# Altium PCB LimeNet-Micro_2v0.PcbDoc (part 8 of 11)
Units mm, origin at the board's own origin, x right, y up, seen from the top; angles counter-clockwise.
Board outline 75 x 143 mm, 6 copper layers (Top, L2, L3, L4, L5, Bottom), stack 1.583 mm thick; 781 components, 551 nets, 3551 pads, 1336 vias.
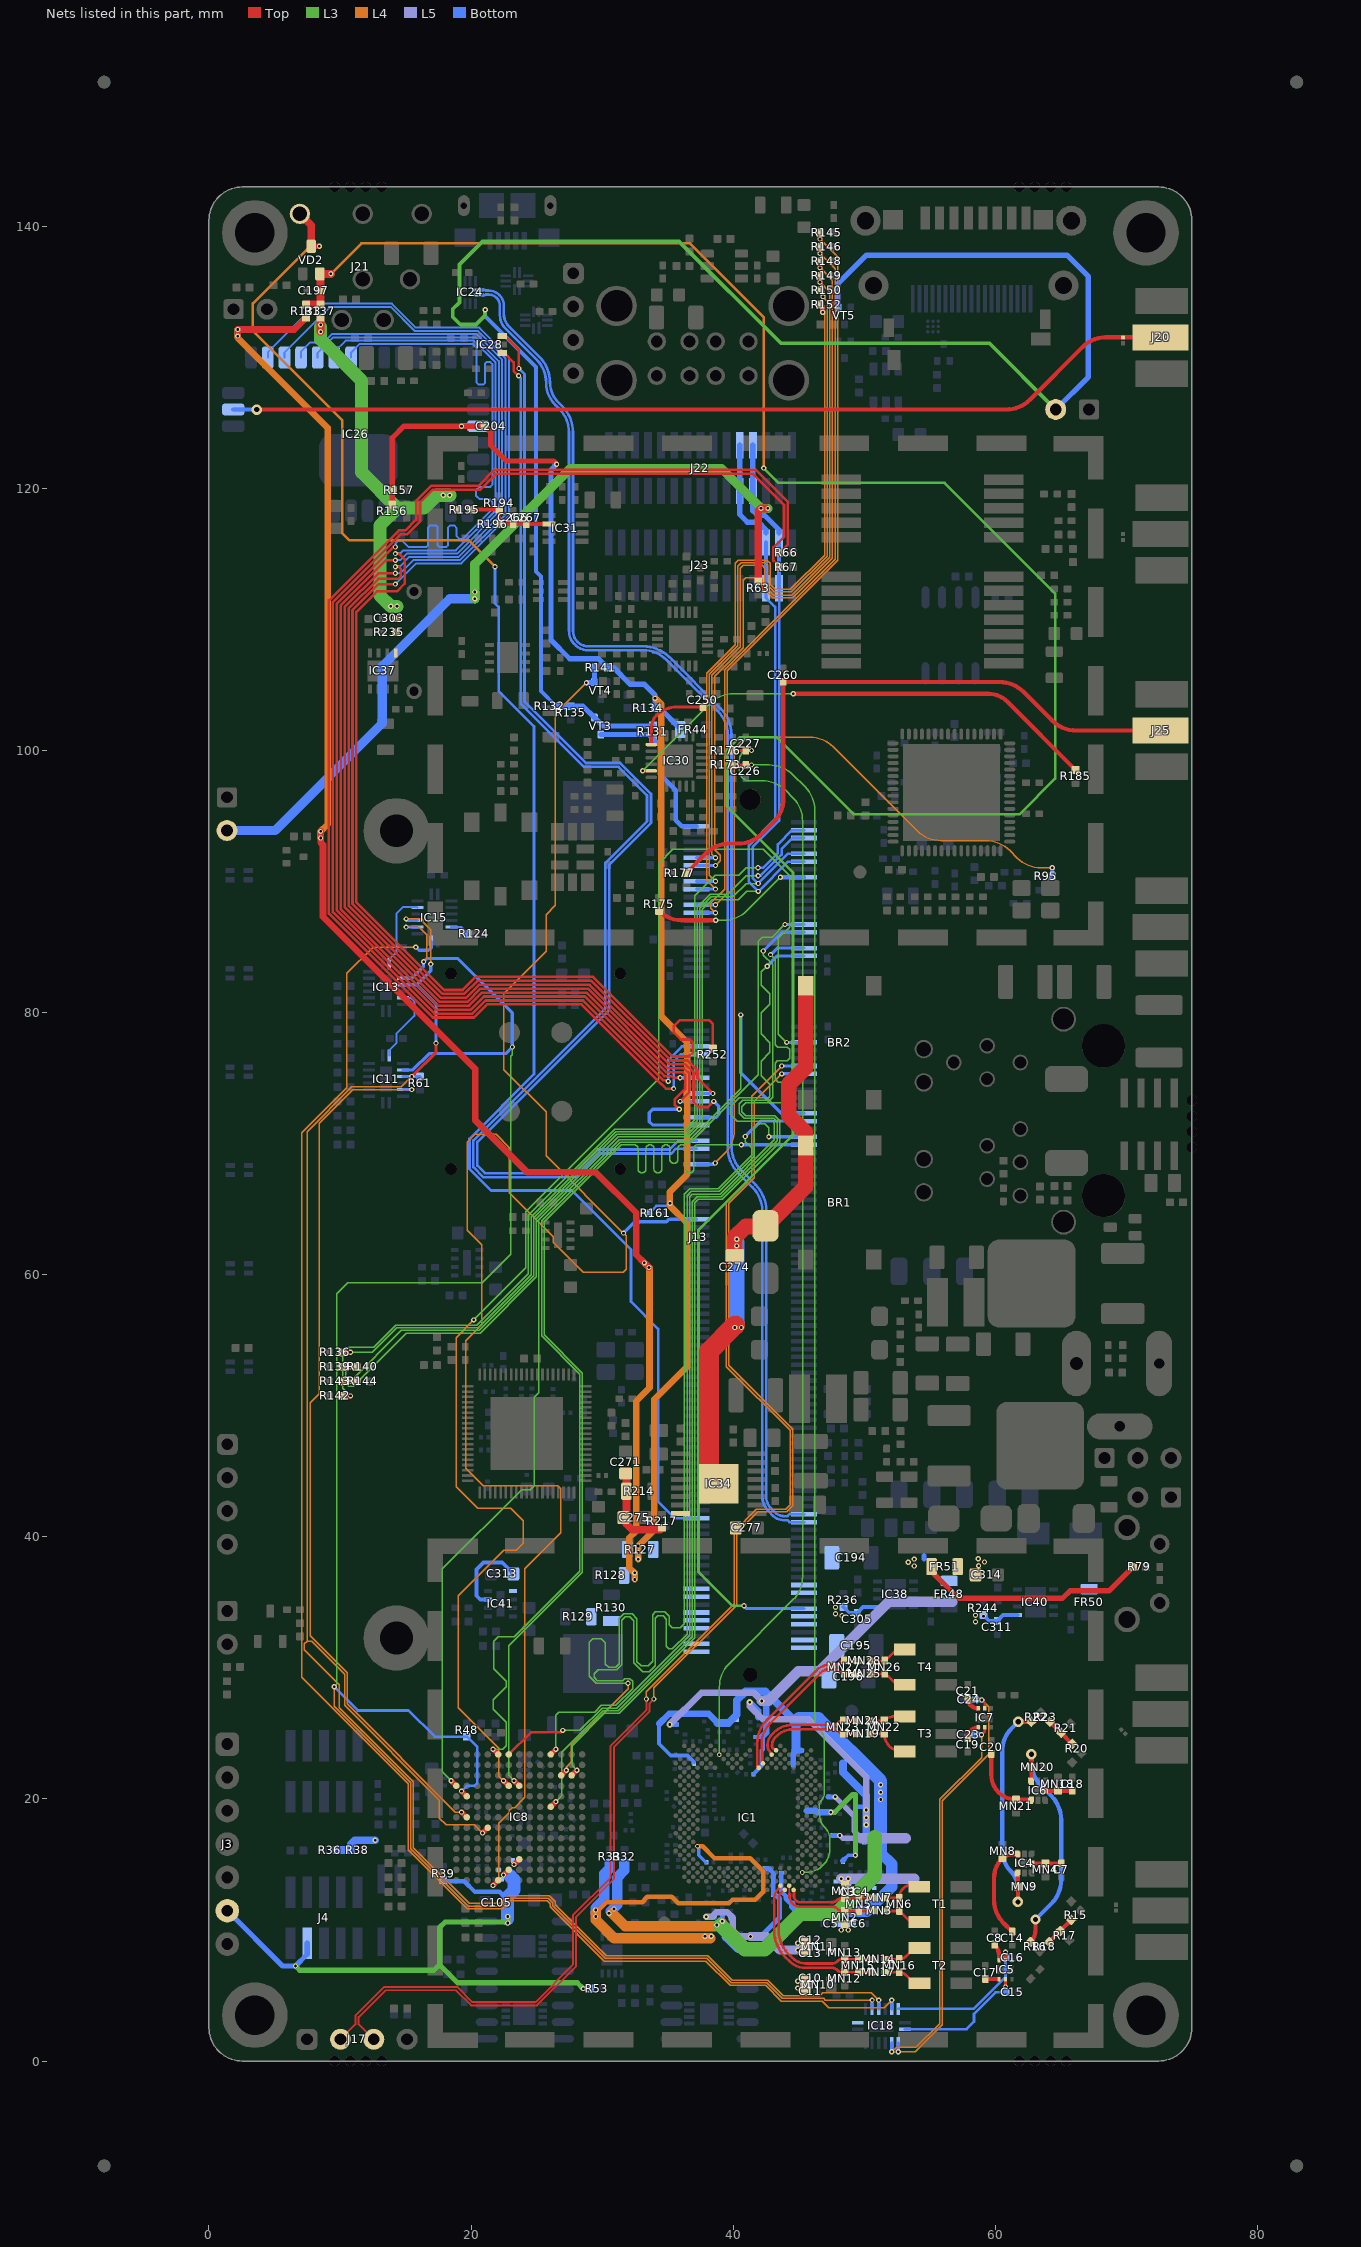
[diagram p12: the nets of this part, all layers, seen from the top]

## Via types
v1: diameter 0.4, hole 0.2, Top to Bottom, tented both sides, 1190 vias
v2: diameter 0.35, hole 0.2, Top to Bottom, tented both sides, 98 vias
v3: diameter 0.5, hole 0.2, Top to Bottom, tented bottom, 25 vias
v4: diameter 0.5, hole 0.2, Top to Bottom, tented both sides, 12 vias
v5: diameter 0.8, hole 0.4, Top to Bottom, tented both sides, 5 vias
v6: diameter 0.4, hole 0.2, Top to Bottom, tented top, 4 vias
v7: diameter 0.4, hole 0.2, Top to Bottom, tented bottom, 2 vias

## Nets (pads, with @x,y where several pads share a name; then routed paths per layer and width w, separated by ;. In a path a pad name is that pad's centre, name@x,y a point inside that pad or via, vN(x,y) a via of type N, cw(c..) or ccw(c..) an arc to the next point about the centre after c; other vN are vias at no path point) (continued)
POE_VSS: BR1.2 BR2.2 C271.1 C274.1 C275.1 C277.2 IC34.8 IC34.17 R214.2 R217.2 VD3.K | length 51.5
  Top w0.6: C271.1@31.796,44.825 31.85,44.771 R214.2@31.85,43.475 31.85,40.986 32.299,40.537 34.424,40.537 R217.2@34.574,40.687 ; IC34.17@39.446,43.619 IC34.17@39.446,43.985
  Top w1.2: C274.1@40.125,61.475 40.125,62.85 40.95,63.675 42.475,63.675 45.535,66.735 BR1.2@45.535,69.85 45.535,70.827 44.235,72.127 44.235,74.535 45.535,75.835 BR2.2@45.535,82.05
  Top w1.5: IC34.17@38.9,44.05 38.15,44.8 38.15,54.15 v1@40.15,56.15
  Bottom w1.2: 40.275,56.175 v1(40.275,62.2) 40.275,62.475
  other v1: 40.125,55.975 40.625,55.975 40.275,62.7
RAPI_EMMC_DISABLE: J13.2 R131.1 VT3.D | length 12.8
  Bottom w0.35: R131.1@33.875,100.925 34.4,100.4 34.4,98.175 35.611,96.964 35.611,94.689 36.075,94.225 J13.2@37.2,94.225
  Bottom w0.4: VT3.D@29.905,101.218 33.582,101.218 R131.1@33.875,100.925
RAPI_EMMC_EN: IC8.E1 J13.90 R141.2 VT4.G | length 144.7
  Top w0.4: v1(21.672,13.394) IC8.E1@22.072,13.794
  L4 w0.1: v1(21.672,13.394) 22.1,13.822 22.1,18.127 22.922,18.949 22.922,19.139 23.127,19.344 23.317,19.344 24.1,20.127 24.1,37.575 26.828,40.303 26.828,43.672 26.6,43.9 20.93,43.9 19.6,45.23 19.6,54.967 20.8,56.167 20.8,62.287 19.7,63.387 19.7,70.125 20.275,70.7 21.925,70.7 22.925,69.7 22.925,66.25 26.272,62.903 26.272,62.47 28.567,60.175 31.6,60.175 31.825,60.4 31.825,62.975 v1(31.625,63.175) 25.725,69.075 25.725,72.425 22.507,75.643 22.507,81.457 25.725,84.675 25.725,87.475 26.436,88.186 26.436,102.811 v1(28.8,105.175)
  Bottom w0.25: v1(31.625,63.175) 32.5,64.05 34.918,64.05 35.093,64.225 J13.90@37.2,64.225
  Bottom w0.4: v1(28.8,105.175) VT4.G@29.21,105.175 ; VT4.G@29.41,105.175 R141.2@29.41,106.325
RAPI_GPCLK0: J13.15 R175.2 | length 12.5
  Top w0.325: R175.2@34.35,87.75 ccw(c36.04,89.44) 36.04,87.05 v1(38.675,87.05)
  L3 w0.1: v1(38.675,87.05) 39.273,87.05 ccw(c39.273,89.59) 41.069,87.794 v1(43.6,90.325)
  Bottom w0.325: v1(43.6,90.325) J13.15@45.4,90.325
RAPI_GPCLK1: J13.76 R95.2 | length 62.4
  L4 w0.1: v1(38.625,68.525) 39.331,69.231 ccw(c37.535,71.027) 40.075,71.027 40.075,99.525 cw(c41.575,99.525) 40.191,100.103 cw(c41.575,99.525) 41.575,101.025 45.848,101.025 cw(c45.848,98.485) 47.644,100.281 54.056,93.869 ccw(c55.852,95.665) 55.852,93.125 59.298,93.125 cw(c59.298,90.585) 61.094,92.381 61.681,91.794 ccw(c63.477,93.59) 63.477,91.05 v1(64.35,91.05)
  Bottom w0.25: J13.76@37.2,68.425 38.525,68.425 v1(38.625,68.525)
  Bottom w0.325: R95.2@64.35,90.4 v1(64.35,91.05)
RAPI_GPIO12: IC8.F10 J13.45 | length 110.5
  Top w0.4: v1(22.472,21.394) IC8.F10@22.872,20.994
  L3 w0.1: v1(20.2,56.55) 24.175,60.525 24.175,64.822 34.325,74.972 34.325,91.375 35.4,92.45 42.3,92.45 44.3,90.45 44.3,86.53 43.437,85.667 43.437,78.343 44.055,77.725 v1(44.075,77.725)
  L4 w0.1: v1(20.2,56.55) 18.85,55.2 18.85,43.825 20.5,42.175 23.017,42.175 23.975,41.217 23.975,39.517 23.433,38.975 22.475,38.975 19.021,35.521 19.021,26.971 22.122,23.87 22.122,21.744 v1(22.472,21.394)
  Bottom w0.25: v1(44.075,77.725) J13.45@45.4,77.725
RAPI_I2C0_SCL: J13.5 R136.2 | length 63.9
  Top w0.4: R136.2@10.15,54.075 v1(10.8,54.075)
  L3 w0.1: v1(10.8,54.075) 12.45,54.075 14.325,55.95 20.533,55.95 24.575,59.992 24.575,64.441 31.049,70.915 36.434,70.915 37.25,71.731 37.25,88.041 38.234,89.025 39.575,89.025 41,90.45 v1(41.9,90.45)
  Bottom w0.2: v1(41.9,90.45) 42.084,90.45 43.7,92.066 43.7,92.5 44.525,93.325 J13.5@45.4,93.325
RAPI_I2C0_SDA: J13.3 R142.2 | length 68.9
  Top w0.4: R142.2@10.15,50.753 v1(10.8,50.753)
  L3 w0.1: v1(10.8,50.753) 10.225,51.328 10.225,53.995 10.705,54.475 12.567,54.475 14.242,56.15 20.45,56.15 24.375,60.075 24.375,64.524 30.966,71.115 36.351,71.115 37.05,71.814 37.05,88.925 38.625,90.5 40.442,90.5 40.992,91.05 v1(41.892,91.05)
  Bottom w0.2: v1(41.892,91.05) 42.26,91.05 43.4,92.19 43.4,92.845 44.48,93.925 J13.3@45.4,93.925
RAPI_I2C1_SCL: J13.11 J22.11 J23.13 R139.2 R140.2 | length 102.4
  Top w0.4: R139.2@10.15,52.964 v1(10.8,52.964) R140.2@11.25,52.964
  L3 w0.1: v1(10.8,52.964) 10.425,52.589 10.425,51.725 10.675,51.475 10.992,51.475 15.067,55.55 20.699,55.55 24.975,59.826 24.975,64.275 31.215,70.515 36.599,70.515 37.65,71.566 37.65,87.875 38.4,88.625 40.391,88.625 41.016,89.25 v1(41.916,89.25)
  Bottom w0.2: J23.13@42.5,112.375 42.5,111.65 43.2,110.95 43.2,94.772 41.192,92.764 41.192,89.974 v1(41.916,89.25) 44.191,91.525 J13.11@45.4,91.525
  Bottom w0.325: J23.13@42.5,112.375 J23.13@42.5,115.875
  Bottom w0.4: J22.11@40.5,123.3 J22.11@40.5,119.8 40.5,118 41.075,117.425 41.925,117.425 42.5,116.85 J23.13@42.5,116.625
RAPI_I2C1_SDA: J13.9 J22.12 J23.14 R143.2 R144.2 | length 98.9
  Top w0.4: R143.2@10.15,51.864 v1(10.8,51.864)
  L3 w0.1: v1(10.8,51.864) 14.686,55.75 20.616,55.75 24.775,59.909 24.775,64.358 31.132,70.715 36.516,70.715 37.45,71.649 37.45,87.958 38.317,88.825 39.983,88.825 41.008,89.85 v1(41.908,89.85)
  Bottom w0.2: J23.14@43.5,112.375 43.5,94.648 41.492,92.64 41.492,90.266 v1(41.908,89.85) 44.183,92.125 J13.9@45.4,92.125
  Bottom w0.325: J23.14@43.5,112.375 J23.14@43.5,115.875
  Bottom w0.4: J22.12@41.5,123.3 J22.12@41.5,119.8 41.5,118.3 41.85,117.95 42.394,117.95 43.5,116.844 J23.14@43.5,116.625
RAPI_PWM0: IC28.3 J13.70 | length 93.2
  Top w0.2: IC28.3@22.272,131.625 22.58,131.625 23.65,130.555 v1(23.65,129.15)
  Bottom w0.2: v1(23.65,129.15) 24.075,128.725 24.075,103.724 28.749,99.05 31.372,99.05 33.725,96.697 33.725,94.464 30.55,91.289 30.55,80.2 20.475,70.125 20.475,68.325 21.05,67.75 27.872,67.75 29.672,69.55 35.15,69.55 35.825,70.225 J13.70@37.2,70.225
RAPI_PWM1: IC28.1 J13.72 | length 92.2
  Top w0.2: IC28.1@22.272,130.325 IC28.1@22.372,130.325 22.547,130.325 23.25,129.622 23.25,128.97 v1(23.625,128.595)
  Bottom w0.2: v1(23.625,128.595) 23.775,128.445 23.775,103.6 28.625,98.75 31.248,98.75 33.425,96.573 33.425,94.589 30.25,91.414 30.25,80.324 20.175,70.249 20.175,68.201 20.926,67.45 27.996,67.45 29.796,69.25 35.274,69.25 35.649,69.625 J13.72@37.2,69.625
RAPI_RUN: IC15.6 R124.2 | length 1.5
  Bottom w0.2: IC15.6@18.5,86.525 19.225,86.525 R124.2@19.75,86
RAPI_SD1_CLK: IC26.6 R252.2 | length 103.2
  Top w0.2: v1(14.225,115.025) 14.5,115.025 14.925,114.6 14.925,112.725 14.35,112.15 12.82,112.15 11.25,110.58 11.25,88.42 17.945,81.725 19.353,81.725 20.353,82.725 29.3,82.725 35.375,76.65 36.6,76.65 36.925,76.975 36.925,77.725 36.7,77.95 36,77.95 35.475,78.475 35.475,78.975 35.925,79.425 38.15,79.425 38.45,79.125 R252.2@38.45,77.275
  Bottom w0.15: IC26.6@9.565,129.99 9.565,130.415 10.425,131.275 20.209,131.275 21.875,129.609 21.875,118.314 18.836,115.275 14.825,115.275 14.575,115.025 v1(14.225,115.025)
RAPI_SD1_CMD: IC26.7 J13.54 | length 106.3
  Top w0.2: v1(14.225,115.525) 14.074,115.525 9.75,111.201 9.75,87.799 17.324,80.225 19.974,80.225 20.974,81.225 28.679,81.225 34.754,75.15 35.31,75.15 35.435,75.025 v1(35.95,75.025)
  Bottom w0.15: IC26.7@10.835,129.99 10.835,130.36 11.5,131.025 20.106,131.025 20.425,130.706 20.425,128.069 20.575,127.919 20.945,127.919 21.05,128.024 21.05,129.517 21.175,129.642 21.471,129.642 21.625,129.488 21.625,129 21.625,120.279 21.471,120.125 20.65,120.125 20.375,119.85 20.375,119.45 20.65,119.175 21.425,119.175 21.625,118.975 21.625,118.418 19.357,116.15 19.1,116.15 18.9,116.35 18.9,116.975 18.7,117.175 18.4,117.175 18.225,117 18.225,115.65 18.1,115.525 17.6,115.525 17.45,115.675 17.45,117.025 17.3,117.175 16.875,117.175 16.7,117 16.7,115.65 16.575,115.525 15.225,115.525 14.775,115.975 14.415,115.975 14.225,115.785 v1(14.225,115.525)
  Bottom w0.25: v1(35.95,75.025) J13.54@37.2,75.025
RAPI_SD1_D0: IC26.2 J13.58 | length 107.4
  Top w0.2: v1(14.225,112.7) 12.946,112.7 10.95,110.704 10.95,88.296 17.821,81.425 19.477,81.425 20.477,82.425 29.176,82.425 35.251,76.35 36.5,76.35 37.275,75.575 37.275,75 v1(38.45,73.825)
  Bottom w0.15: IC26.2@4.485,129.99 4.485,130.385 8.2,134.1 13.959,134.1 15.784,132.275 20.623,132.275 22.875,130.023 22.875,117.9 19.25,114.275 15.8,114.275 v1(14.225,112.7)
  Bottom w0.25: J13.58@37.2,73.825 v1(38.45,73.825)
RAPI_SD1_D1: IC26.3 J13.60 | length 106.4
  Top w0.2: v1(14.225,113.525) 12.922,113.525 10.35,110.953 10.35,88.047 17.572,80.825 19.726,80.825 20.726,81.825 28.927,81.825 35.002,75.75 36.251,75.75 36.65,75.351 36.65,73.925 v1(35.95,73.225)
  Bottom w0.15: IC26.3@5.755,129.99 5.755,130.355 9.25,133.85 13.856,133.85 15.681,132.025 20.52,132.025 22.625,129.92 22.625,118.004 19.146,114.525 15.6,114.525 14.6,113.525 v1(14.225,113.525)
  Bottom w0.25: v1(35.95,73.225) J13.60@37.2,73.225
RAPI_SD1_D2: IC26.4 J13.64 | length 107
  Top w0.2: v1(14.225,114.025) 14.475,114.025 14.625,113.875 14.625,113.25 14.475,113.1 12.921,113.1 10.65,110.829 10.65,88.171 17.696,81.125 19.601,81.125 20.601,82.125 29.051,82.125 35.126,76.05 36.376,76.05 36.975,75.451 36.975,73.175 37.35,72.8 38.09,72.8 38.515,73.225 v1(38.525,73.225)
  Bottom w0.15: IC26.4@7.025,129.99 7.025,130.45 7.7,131.125 8.721,131.125 9.371,131.775 20.416,131.775 22.375,129.816 22.375,118.107 19.043,114.775 15.29,114.775 14.54,114.025 v1(14.225,114.025)
  Bottom w0.25: J13.64@37.2,72.025 38.7,72.025 38.906,72.231 38.906,72.844 v1(38.525,73.225)
RAPI_SD1_D3: IC26.5 J13.66 | length 107.3
  Top w0.2: v1(14.225,114.525) 13.498,114.525 10.05,111.077 10.05,87.923 17.448,80.525 19.85,80.525 20.85,81.525 28.803,81.525 34.878,75.45 36.127,75.45 36.35,75.227 36.35,74.191 35.55,73.391 35.55,72.95 v1(35.875,72.625)
  Bottom w0.15: IC26.5@8.295,129.99 8.295,130.345 9.475,131.525 20.313,131.525 22.125,129.713 22.125,118.211 18.939,115.025 15.1,115.025 14.6,114.525 v1(14.225,114.525)
  Bottom w0.25: v1(35.875,72.625) 33.85,72.625 33.6,72.375 33.6,71.675 33.85,71.425 J13.66@37.2,71.425
RAPI_SDX_CLK: J13.10 R149.1 | length 56.2
  Top w0.4: v1(46.625,135.725) R149.1@46.625,136.225
  L4 w0.1: v1(38.65,91.825) 38.375,92.1 38.375,105.749 40.55,107.924 40.55,113.924 40.751,114.125 42.225,114.125 42.425,113.925 42.425,112.509 43.084,111.85 44.476,111.85 47.375,114.749 47.375,134.975 v1(46.625,135.725)
  Bottom w0.25: J13.10@37.2,91.825 v1(38.65,91.825)
RAPI_SDX_CMD: J13.12 R148.1 | length 56.6
  Top w0.4: v1(46.625,136.825) R148.1@46.625,137.325
  L4 w0.1: v1(38.65,91.225) 39,91.575 39,92 38.575,92.425 38.575,105.666 40.75,107.841 40.75,113 40.95,113.2 42.047,113.2 42.225,113.022 42.225,112.425 43,111.65 44.559,111.65 47.575,114.666 47.575,135.875 v1(46.625,136.825)
  Bottom w0.25: J13.12@37.2,91.225 v1(38.65,91.225)
RAPI_SDX_D0: J13.16 R150.1 | length 57
  Top w0.4: R150.1@46.625,135.125 46.85,134.9 v1(46.85,134.625)
  L4 w0.1: v1(38.65,90.025) 38.175,90.5 38.175,105.831 40.35,108.006 40.35,114.067 40.608,114.325 42.425,114.325 42.625,114.125 42.625,112.592 43.117,112.1 44.444,112.1 47.175,114.831 47.175,134.3 v1(46.85,134.625)
  Bottom w0.25: J13.16@37.2,90.025 v1(38.65,90.025)
RAPI_SDX_D1: J13.18 R152.1 | length 56.6
  Top w0.4: R152.1@46.625,134.025 46.825,133.825 v1(46.825,133.45)
  L4 w0.1: v1(38.65,89.425) 37.975,90.1 37.975,105.914 40.15,108.089 40.15,114.275 40.4,114.525 42.575,114.525 42.825,114.275 42.825,112.675 43.2,112.3 44.361,112.3 46.975,114.914 46.975,133.3 v1(46.825,133.45)
  Bottom w0.25: J13.18@37.2,89.425 v1(38.65,89.425)
RAPI_SDX_D2: J13.22 R145.1 | length 57.2
  Top w0.4: v1(46.625,139.025) R145.1@46.625,139.525
  L4 w0.1: v1(38.65,88.225) 39.55,89.125 39.55,106.075 47.975,114.5 47.975,137.675 v1(46.625,139.025)
  Bottom w0.25: J13.22@37.2,88.225 v1(38.65,88.225)
RAPI_SDX_D3: J13.24 R146.1 | length 56.8
  Top w0.4: v1(46.625,137.925) R146.1@46.625,138.425
  L4 w0.1: v1(38.65,87.625) 38.3,87.975 38.3,88.37 39.35,89.42 39.35,106.158 47.775,114.583 47.775,136.775 v1(46.625,137.925)
  Bottom w0.25: J13.24@37.2,87.625 v1(38.65,87.625)
RAPI_SPI0_CE0: IC8.E13 J13.27 | length 82.9
  Top w0.4: v1(21.672,23.794) IC8.E13@22.072,23.394
  L3 w0.1: v1(21.672,23.794) 22.419,23.794 22.675,24.05 22.675,25.85 21.7,26.825 21.7,27.575 22.675,28.55 22.675,28.992 21.725,29.942 21.725,32.047 22.053,32.375 23.292,32.375 28.3,37.383 28.3,52.4 25.375,55.325 25.375,64.109 31.381,70.115 36.765,70.115 41.925,75.275 41.925,85.45 42.225,85.75 42.975,85.75 v1(43.95,86.725)
  Bottom w0.25: v1(43.95,86.725) J13.27@45.4,86.725
RAPI_SPI0_MISO: IC8.K8 J13.29 | length 83
  Top w0.4: IC8.K8@26.072,19.394 v1(26.472,19.794)
  L3 w0.1: v1(26.472,19.794) 26.922,20.244 26.922,23.555 30.095,26.728 31.211,26.728 36.875,32.392 36.875,65.58 37.245,65.95 39.092,65.95 43.35,70.208 43.35,71.658 43.083,71.925 40.85,71.925 40.454,72.321 40.454,73.029 40.746,73.321 42.779,73.321 43,73.542 43,83.692 42.3,84.392 v1(42.3,84.7)
  L4 w0.1: v1(26.472,19.794) v1@26.552,19.794
  Bottom w0.25: v1(42.3,84.7) 43.725,86.125 J13.29@45.4,86.125
RAPI_SPI0_MOSI: IC8.M11 J13.33 | length 82.6
  Top w0.4: IC8.M11@27.672,21.794 v1(28.072,22.194)
  L3 w0.1: v1(28.072,22.194) 27.7,22.566 27.7,24.05 30.178,26.528 31.294,26.528 37.075,32.309 37.075,65.497 37.328,65.75 39.175,65.75 43.55,70.125 43.55,71.741 43.166,72.125 40.95,72.125 40.654,72.421 40.654,72.825 40.95,73.121 43.979,73.121 44.317,73.459 44.317,74.519 44.136,74.7 43.45,74.7 43.2,74.95 43.2,76.15 43.375,76.325 44.142,76.325 44.317,76.5 44.317,77.189 44.131,77.375 43.388,77.375 43.2,77.563 43.2,84.075 v1(42.85,84.425)
  Bottom w0.25: v1(42.85,84.425) 43.35,84.925 J13.33@45.4,84.925
RAPI_SPI0_SCLK: IC8.F13 J13.35 | length 82.8
  Top w0.2: IC8.F13@22.872,23.394 24.553,25.075 26.85,25.075 v1(27,25.225)
  L3 w0.1: v1(27,25.225) 28.309,25.225 30.012,26.928 31.128,26.928 36.675,32.475 36.675,65.959 36.866,66.15 39.009,66.15 43.15,70.291 43.15,71.575 43,71.725 40.3,71.725 39.766,72.259 39.766,72.834 40.454,73.521 42.696,73.521 42.8,73.625 42.8,74.525 42.125,75.2 42.125,76.3 42.8,76.975 42.8,77.694 42.125,78.369 42.125,79.975 42.8,80.65 42.8,81.45 42.15,82.1 42.15,83.1 v1(42.589,83.539)
  Bottom w0.25: v1(42.589,83.539) 43.375,84.325 J13.35@45.4,84.325
RAPI_SPI1_CE0: IC8.A10 J13.63 | length 82.8
  Top w0.4: v1(18.472,21.394) IC8.A10@18.872,20.994
  L3 w0.1: v1(18.472,21.394) 17.8,22.066 17.8,37.545 23.85,43.595 24.52,43.595 24.825,43.9 24.825,50.65 25.175,51 25.175,64.192 31.298,70.315 36.682,70.315 40.575,74.208 v1(40.575,79.825)
  Bottom w0.25: v1(40.575,79.825) 40.575,75.405 43.655,72.325 J13.63@45.4,72.325
RAPI_SPI1_MISO: IC8.L11 J13.65 | length 82
  Top w0.4: IC8.L11@26.872,21.794 v1(27.272,22.194)
  L3 w0.1: v1(31.975,28.825) 29.561,28.825 29.014,29.372 29.014,31.956 29.291,32.234 29.946,32.234 30.255,31.925 30.255,30.291 30.485,30.061 31.049,30.061 31.3,30.312 31.3,33.794 31.635,34.129 32.28,34.129 32.65,33.759 32.65,30.475 32.895,30.23 32.975,30.15 33.5,30.15 33.847,30.497 33.847,34.063 34.059,34.275 34.775,34.275 35.111,33.939 35.111,33.289 35.35,33.05 35.975,33.05 36.275,33.35 36.275,66.125 36.7,66.55 38.844,66.55 41.4,69.106 41.4,69.675 40.925,70.15 v1(40.925,70.55)
  L4 w0.1: v1(27.272,22.194) 27.272,22.43 27.65,22.808 27.65,24.097 31.975,28.422 v1(31.975,28.825)
  Bottom w0.25: v1(40.925,70.55) 42.1,71.725 J13.65@45.4,71.725
RAPI_SPI1_MOSI: IC8.K13 J13.69 | length 81.8
  Top w0.4: IC8.K13@26.072,23.394 v1(26.472,23.794)
  L3 w0.1: v1(26.472,23.794) 26.472,26.397 26.7,26.625 29.426,26.625 29.929,27.128 31.045,27.128 32.325,28.408 32.325,28.97 32.12,29.175 31.731,29.175 31.581,29.025 29.644,29.025 29.383,29.285 29.383,29.558 29.686,29.861 31.132,29.861 31.5,30.229 31.5,33.625 31.759,33.884 32.113,33.884 32.419,33.578 32.419,30.379 33.096,29.702 33.577,29.702 34.047,30.172 34.047,33.777 34.236,33.966 34.65,33.966 34.897,33.719 34.897,31.653 35.1,31.45 35.367,31.45 36.475,32.558 36.475,66.042 36.783,66.35 38.926,66.35 41.6,69.024 41.6,71.3 41.825,71.525 42.4,71.525 42.725,71.2 v1(42.725,70.525)
  Bottom w0.25: v1(42.725,70.525) J13.69@45.4,70.525
RAPI_SPI1_SCLK: IC8.G10 J13.71 | length 82.8
  Top w0.4: v1(23.272,21.394) IC8.G10@23.672,20.994
  L3 w0.1: v1(23.272,21.394) 22.875,21.791 22.875,31.675 28.5,37.3 28.5,52.483 25.575,55.408 25.575,64.026 31.464,69.915 31.825,69.915 32.129,69.915 32.433,69.915 cw(c32.433,69.611) 32.737,69.611 32.737,68.078 ccw(c33.041,68.078) 33.041,67.774 ccw(c33.041,68.078) 33.345,68.078 33.345,69.611 cw(c33.649,69.611) 33.649,69.915 cw(c33.649,69.611) 33.953,69.611 33.953,68.078 ccw(c34.257,68.078) 34.257,67.774 ccw(c34.257,68.078) 34.561,68.078 34.561,69.611 cw(c34.865,69.611) 34.865,69.915 cw(c34.865,69.611) 35.169,69.611 35.169,68.795 ccw(c35.473,68.795) 35.473,68.491 ccw(c35.473,68.795) 35.777,68.795 35.777,69.611 cw(c36.081,69.611) 36.081,69.915 cw(c36.081,69.611) 36.385,69.611 36.385,68.078 ccw(c36.689,68.078) 36.689,67.774 ccw(c36.689,68.078) 36.993,68.078 36.993,69.611 cw(c37.297,69.611) 37.297,69.915 37.95,69.915 40.615,69.915 v1(40.625,69.925)
  Bottom w0.25: v1(40.625,69.925) J13.71@45.4,69.925
RAPI_TVDAC: J13.166 J21.1 VD2.3 | length 131.1
  Top w0.4: VD2.3@7.8,138.475 v1(8.425,138.475)
  Top w0.6: J21.1@6.935,140.95 7.8,140.085 VD2.3@7.8,138.475
  L4 w0.2: v1(8.425,138.475) 7.7,138.475 3.35,134.125 3.35,132.025 10.175,125.2 10.175,116.575 10.7,116.05 19.8,116.05 v1(21.825,114.025)
  Bottom w0.2: v1(21.825,114.025) 21.825,111.225 22.1,110.95 22.1,104.55 24.8,101.85 24.8,75.299 19.875,70.374 19.875,68.076 21.526,66.425 27.7,66.425 32.2,61.925 32.2,57.95 34.275,55.875 34.275,42.675 35.525,41.425 J13.166@37.2,41.425
RAPI_UART0_RX: J13.53 J17.3 | length 102.9
  Top w0.15: J17.3@12.575,1.652 11.425,2.802 11.425,3.346 13.479,5.4 18.846,5.4 19.996,4.25 25.025,4.25 28.022,7.247 28.022,11.007 30.9,13.885 30.9,23.946 33.625,26.671 33.625,27.3 v1(33.95,27.625)
  L4 w0.1: v1(33.95,27.625) 33.95,28.467 40.274,34.791 40.274,40.316 41.858,41.9 44.083,41.9 44.55,42.367 44.55,48.2 39.675,53.075 39.675,65.467 41.6,67.392 41.6,73.225 v1(43.7,75.325)
  Bottom w0.25: v1(43.7,75.325) J13.53@45.4,75.325
RAPI_UART0_TX: J13.51 J17.2 | length 103.7
  Top w0.15: J17.2@10.032,1.652 11.175,2.795 11.175,3.45 13.375,5.65 18.95,5.65 20.1,4.5 24.921,4.5 27.772,7.351 27.772,11.11 30.65,13.988 30.65,24.05 33.375,26.775 v1(33.375,27.625)